# Altium PCB Bran_Main_Assay_PCB_v2.PcbDoc (part 5 of 15)
Units mil, origin at the board's own origin, x right, y up, seen from the top; angles counter-clockwise.
Board outline 3608.46 x 1899.79 mil, 6 copper layers (TOP, GND1, Singal, POWER, GND2, BOTTOM), stack 31.508 mil thick; 363 components, 288 nets, 1386 pads, 975 vias.
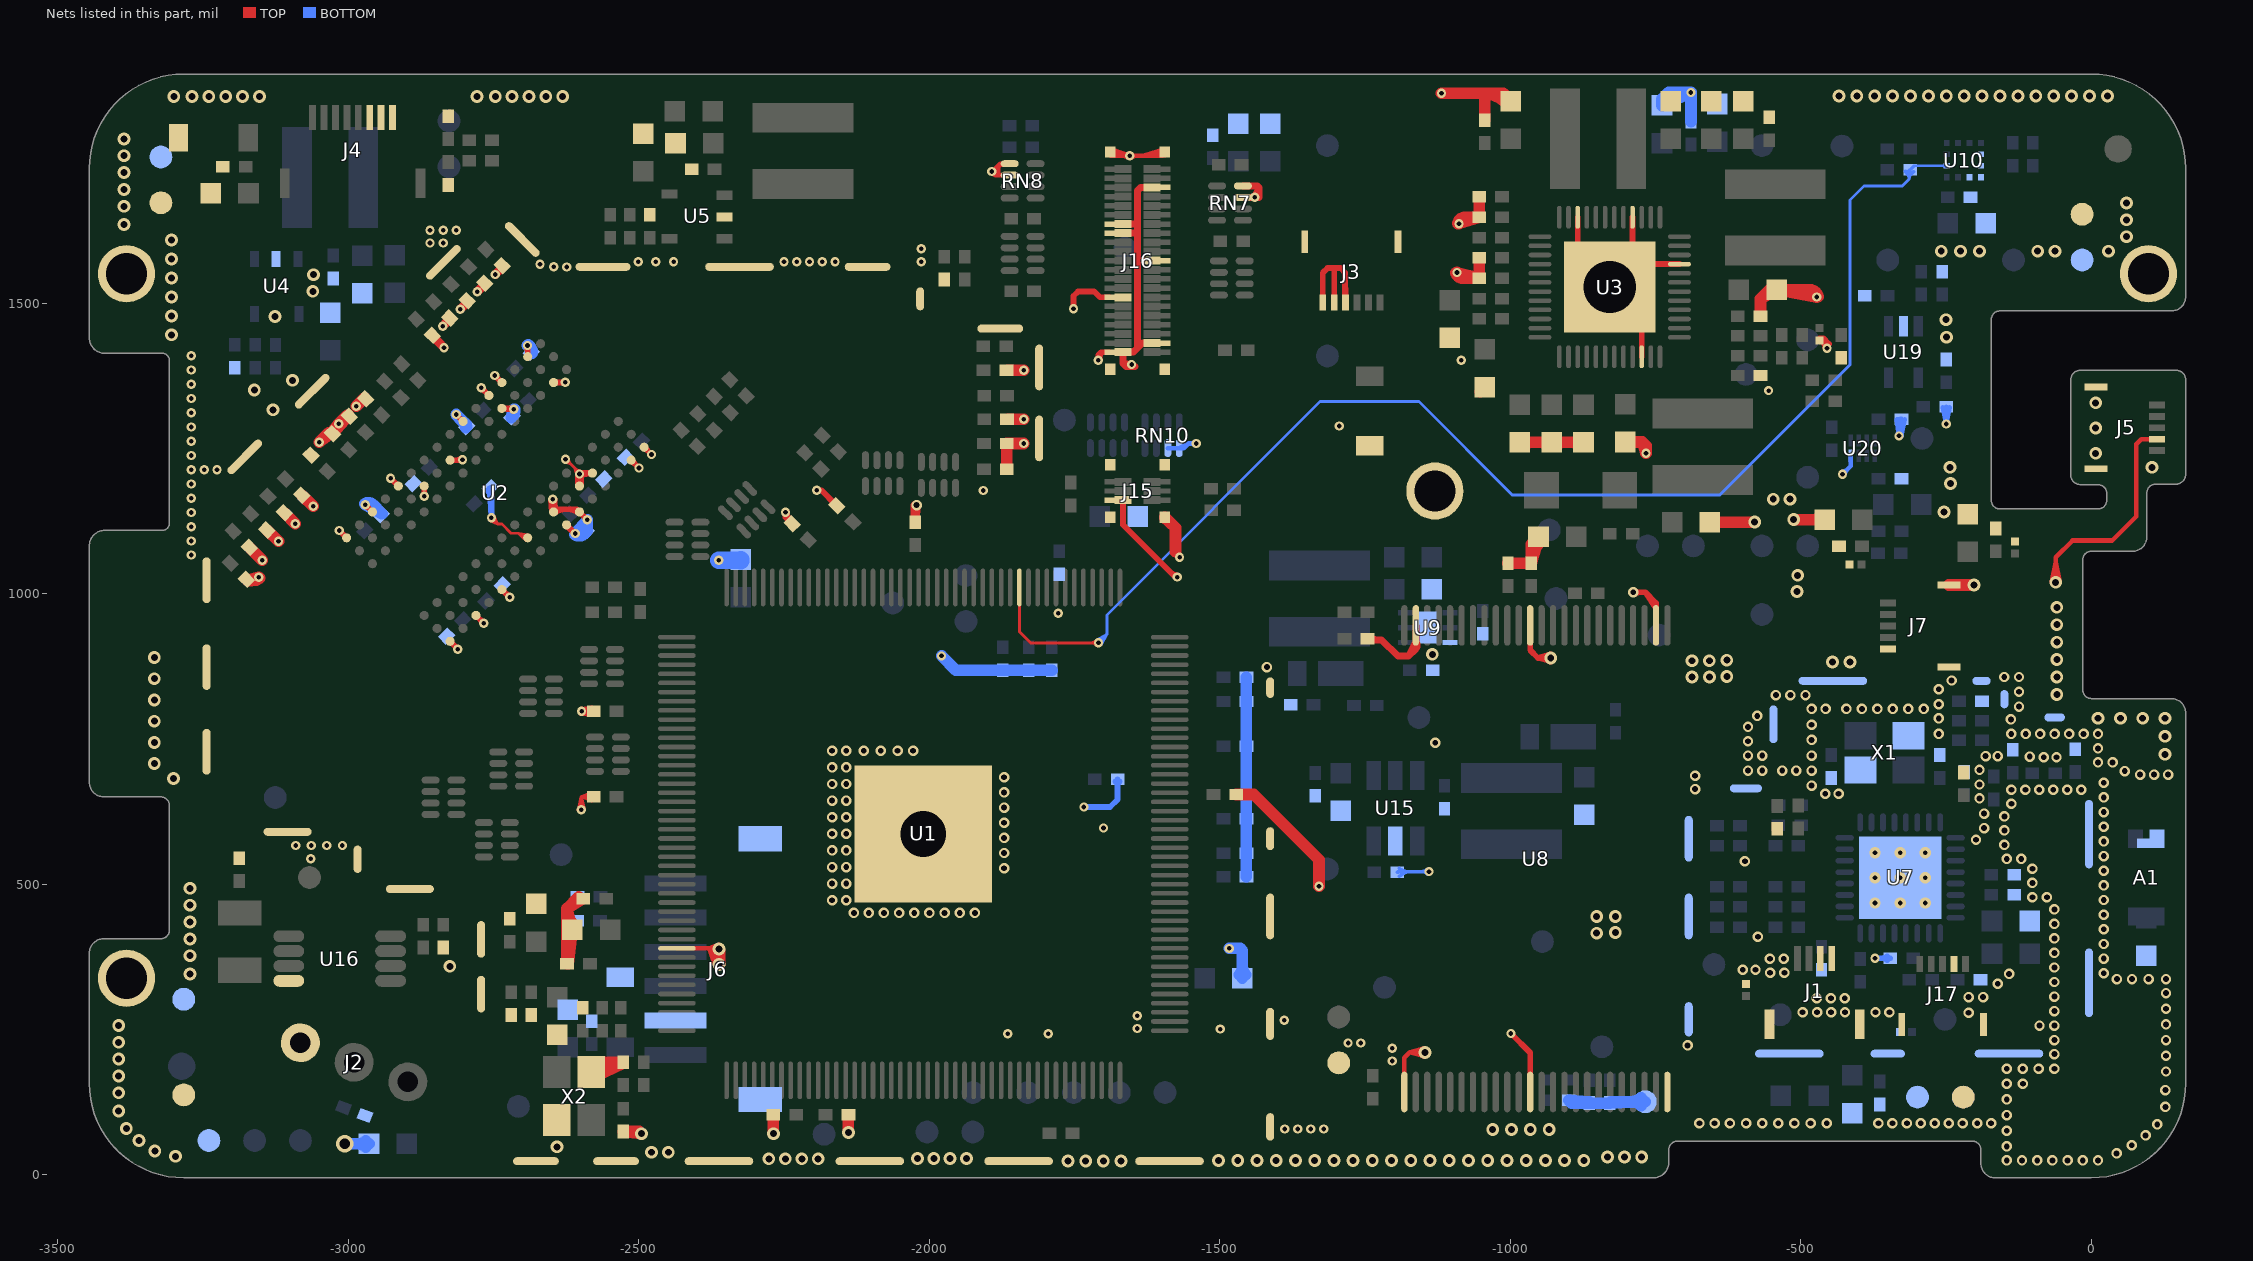
[diagram p9: the nets of this part, all layers, seen from the top]

## Via types
v1: diameter 16, hole 8, TOP to BOTTOM, tented both sides, 431 vias
v2: diameter 18, hole 10, TOP to BOTTOM, tented both sides, 257 vias
v3: diameter 22, hole 12, TOP to BOTTOM, tented both sides, 194 vias
v4: diameter 30, hole 18, TOP to BOTTOM, tented both sides, 69 vias
v5: diameter 24, hole 13, TOP to BOTTOM, tented both sides, 11 vias
v6: diameter 19.68, hole 7.87, TOP to BOTTOM, 9 vias
v7: diameter 22, hole 2, TOP to BOTTOM, tented both sides, 2 vias
v8: diameter 17.99, hole 10, TOP to BOTTOM, tented both sides, 1 vias
v9: diameter 20, hole 10, TOP to BOTTOM, tented both sides, 1 vias

## Nets (pads, with @x,y where several pads share a name; then routed paths per layer and width w, separated by ;. In a path a pad name is that pad's centre, name@x,y a point inside that pad or via, vN(x,y) a via of type N, cw(c..) or ccw(c..) an arc to the next point about the centre after c; other vN are vias at no path point) (continued)
G_INT2: R129.2 U1.12 U10.11 | length 2600.9
  TOP w5: -1845.08,963.65 U1.12@-1845.08,982.59 ; U1.12@-1845.08,1011.13 -1845.08,934.9 -1826.01,915.83 v1(-1709.02,915.83) -1718.86,916.28 ; v1@-1712.9,911.94 ccw(c-1722.29,902.55) -1722.29,915.83 ccw(c-1722.29,929.11) v1@-1712.9,919.72 ; v1@-1710.79,910.62 -1718.86,916.28 ; v1@-1710.31,921.17 -1718.86,916.28
  BOTTOM w5: v1@-1712.35,920.2 -1694.52,930.33 ; v1(-1709.02,915.83) -1694.52,930.33 ; v1@-1709.02,921.33 ccw(c-1709.02,934.61) -1699.63,925.22 ccw(c-1690.24,915.83) v1@-1703.52,915.83 ; v1@-1704.64,912.49 -1694.52,930.33 ; R129.2@-320.79,1727.99 -314.34,1718.73 ; R129.2@-318.91,1728.32 -312.79,1718.34 ; R129.2@-318.37,1724.3 cw(c-326.75,1714) -313.46,1714 ; R129.2@-313.73,1730 -314.34,1718.73 ; R129.2@-308.79,1724.57 ccw(c-299.17,1714) -313.46,1714 ; R129.2@-306.93,1727.24 -314.34,1718.73 ; R129.2@-305.02,1727.09 -312.79,1718.34 ; -269.39,1736.99 U10.11@-249.47,1736.99 ; U10.11@-251.18,1735.27 ccw(c-255.32,1731.14) -255.32,1736.99 ccw(c-255.32,1742.83) U10.11@-251.18,1738.7 ; U10.11@-248.98,1736.99 -304.79,1736.99 R129.2@-311.76,1730 ; -1694.52,930.33 -1694.52,963.87 -1327.38,1331 -1157.3,1331 -996.29,1169.99 -639.8,1169.99 -415.45,1394.34 -415.45,1678.02 -391.46,1702 -325.46,1702 -313.46,1714 ; -313.46,1714 -313.46,1728.31 R129.2@-311.76,1730 ; -312.79,1718.34 R129.2@-311.76,1730
GND: A1.1 A1.3@94.49,570.87 C2.1 C3.1 C4.1 C5.1 C7.1 C8.1 C9.1 C10.1 C15.2 C16.1 C17.1 C18.1 C19.1 C20.1 C21.1 C22.1 C23.1 C24.1 C25.1 C26.1 C27.1 C28.1 C29.1 C30.1 C31.1 C32.1 C33.1 C34.1 C35.1 C36.1 C37.1 C38.1 C39.2 C40.1 C41.1 C44.2 C45.2 C46.2 C47.2 C48.2 C49.2 C50.2 C51.2 C52.2 C53.2 C54.2 C55.2 C56.2 C57.2 C59.1 C60.2 C61.2 C62.1 C63.1 C64.2 C65.2 C66.2 C67.2 C68.2 C69.1 C70.1 C71.1 C83.1 C84.2 C85.2 C86.2 C87.2 C88.2 C89.2 C90.2 C91.2 C92.2 C93.2 C94.2 C95.2 C96.2 C97.2 C98.2 C99.2 C100.2 C101.2 C102.2 C103.2 C104.2 C105.2 C106.2 C111.1 C116.1 C117.2 C120.1 C121.1 C122.1 C123.1 C142.1 C145.1 C146.1 C148.1 C152.1 C154.1 C155.1 C156.2 C157.2 C158.1 C159.2 C174.2 C175.2 C176.2 C204.1 C207.1 C208.1 C209.1 C215.2 C216.2 C220.2 C221.2 C225.2 C226.2 C227.2 C228.2 C235.2 C236.2 C237.2 C240.1 C241.2 C242.2 C243.1 C244.1 C246.2 C247.2 C248.1 C249.1 C250.2 C251.1 D2.2 D4.1 D5.2 D6.2 D7.2 D8.2 D13.2 D14.2 D15.2 D19.2 J1.3 J1.4 J1.5 J1.6 J2.3 J3.4 J3.5 J3.6 J3.7 J3.8 J4.6 J4.7 J4.8 J5.4 J5.6 J5.7 J6.2 J6.7 J6.8 J7.1 J7.6 J7.7 J15.6 J15.7 J15.8 J15.9 J15.10 J16.5 J16.14 J16.16 J16.21 J16.30 J16.39 J16.42 J16.43 J16.44 J16.45 J16.46 J17.4 J17.6 J17.7 pad.0 pad.1 R1.1 R2.1 R12.1 R17.1 R19.1 R28.2 R35.2 R50.1 R71.1 R90.1 R91.1 R94.1 R151.1 R155.1 R160.2 R178.1 R180.2 R188.1 R190.2 R210.2 RN7.3 RN7.4 RN8.1 RN8.2 RN10.1 RN10.2 TP4.1 TP15.1 TP16.1 TP17.1 TP18.1 TP19.1 TP20.1 TP21.1 TP22.1 TP24.1 TP56.1 U1.79 U1.177 U2.A9 U2.B1 U2.B3 U2.B9 U2.D1 U2.D8 U2.E1 U2.E2 U2.E8 U2.F9 U2.G1 U2.G8 U2.G9 U2.J2 U2.J8 U2.L2 U2.M1 U2.M9 U2.P1 U2.P9 U2.T1 U2.T9 U3.9 U3.16 U3.22 U3.46 U3.49 U4.2 U5.2 U7.33 U8.2 U8.13 U8.23 U8.25 U8.36 U8.48 U9.3 U9.7 U10.5 U10.6 U10.7 U10.8 U15.2 U16.4 U19.2 U20.4 X1.2 X1.4 X2.2 X2.4 | length 26618.3
  TOP w5: v1@-2756.95,1126.39 -2743.23,1120.31 ; v1@-2753.84,1125.42 cw(c-2753.84,1112.14) -2744.45,1121.53 cw(c-2735.06,1130.92) v1@-2748.34,1130.92 ; v1(-2753.84,1130.92) -2743.23,1120.31 ; v1@-2749.3,1134.03 -2743.23,1120.31 ; -2701.58,1099.07 ccw(c-2694.92,1105.73) U2.J8@-2691.51,1096.95 ; U2.J8@-2695.05,1092.68 -2699.91,1100.89 ; U2.J8@-2694.51,1092.23 -2707,1104.49 ; U2.J8@-2693.32,1101.61 cw(c-2697.95,1113.54) -2707,1104.49 ; U2.J8@-2690.41,1101.89 -2699.91,1100.89 ; U2.J8@-2689.72,1101.71 -2707,1104.49 ; v1@-2653.52,1162.16 U2.G8@-2648.07,1143.07 ; v1@-2653.41,1161.63 -2648.52,1153.08 ; v1@-2653.34,1161.35 -2647.43,1151.2 ; v1@-2653.24,1161.05 U2.G8@-2645.77,1148.5 ; v1@-2650.82,1158.16 cw(c-2654.88,1151.12) -2647.03,1153.23 ; -2648.07,1151.15 cw(c-2656.85,1151.15) -2650.64,1144.94 ccw(c-2659.81,1154.12) -2646.84,1154.12 ccw(c-2633.86,1154.12) -2643.04,1144.94 cw(c-2630.89,1157.09) v1@-2648.07,1157.09 ; U2.G8@-2646.84,1146.67 ccw(c-2664.32,1146.67) -2651.96,1159.03 cw(c-2661.35,1149.64) -2648.07,1149.64 cw(c-2634.79,1149.64) -2644.18,1159.03 ccw(c-2637.76,1152.61) -2646.84,1152.61 ; -2646.44,1151.03 cw(c-2638.6,1153.13) v1@-2644.24,1158.97 ; v1@-2642.83,1161.24 U2.G8@-2652.21,1141.03 ; v1@-2642.72,1161.63 -2647.62,1153.08 ; v1@-2642.66,1161.92 -2647.43,1151.2 ; v1@-2642.62,1162.16 U2.G8@-2648.07,1143.07 ; v1@-2642.57,1162.75 U2.G8@-2645.77,1148.5 ; v1@-2626.43,1226.42 cw(c-2626.43,1210.73) -2615.33,1221.83 ; v1(-2626.43,1231.92) -2625.43,1231.92 v1@-2601.46,1207.95 ; v1@-2620.93,1231.92 ccw(c-2610.06,1231.92) -2617.75,1224.24 ; -2613.07,1219.57 cw(c-2626.27,1206.37) v1@-2607.61,1206.37 ; -2607.69,1214.18 ccw(c-2602.11,1219.77) v1@-2602.11,1211.87 ; v1@-2607.6,1206.01 U2.E8@-2603.93,1192.31 ; v1@-2607.6,1206.05 U2.E8@-2604.03,1192.18 ; v1@-2607.55,1205.57 U2.E8@-2602.11,1187.61 ; v1@-2607.56,1205.62 U2.E8@-2602.29,1187.61 ; v1@-2607.45,1205.08 -2602.56,1196.53 ; v1@-2607.47,1205.13 -2602.72,1196.81 ; v1@-2607.31,1204.6 -2601.66,1196.53 ; v1@-2606.98,1203.82 -2610.11,1215.7 ; v1@-2605.49,1202.04 cw(c-2609.49,1196.91) -2603.21,1195.23 ; v1@-2605.36,1201.94 cw(c-2608.97,1197.03) -2603.09,1195.46 ; v1@-2604.86,1201.61 cw(c-2607.8,1196.52) -2602.12,1198.04 ; -2602.65,1197.32 cw(c-2595.83,1195.49) -2599.36,1201.61 ccw(c-2595.93,1195.67) -2602.55,1197.45 ; U2.E8@-2602.29,1192.66 cw(c-2588.4,1192.66) -2598.22,1202.48 ccw(c-2588.83,1193.09) -2602.11,1193.09 ccw(c-2615.39,1193.09) -2606,1202.48 cw(c-2614.95,1193.53) U2.E8@-2602.29,1193.53 ; -2602.11,1198.23 ccw(c-2589.75,1198.23) -2598.49,1189.49 cw(c-2589.31,1198.67) -2602.29,1198.67 cw(c-2615.26,1198.67) -2606.09,1189.49 ccw(c-2615.7,1199.1) v1@-2602.11,1199.1 ; -2601.52,1195.81 cw(c-2596.38,1197.19) v1@-2599.2,1201.71 ; v1@-2598.84,1210.8 -2610.11,1215.7 ; v1@-2596.95,1204.46 -2602.72,1196.81 ; v1@-2596.77,1205.03 -2601.81,1196.25 ; v1@-2596.76,1205.08 -2601.66,1196.53 ; v1@-2596.68,1205.51 U2.E8@-2602.29,1187.61 ; v1@-2596.67,1205.57 U2.E8@-2602.11,1187.61 ; v1@-2596.63,1205.91 U2.E8@-2600.55,1192.18 ; -2743.23,1120.31 -2735.82,1120.31 -2720,1104.49 -2707,1104.49 ; -2707,1104.49 U2.J8@-2691.38,1096.6 ; -2707,1104.49 -2699.11,1096.6 U2.J8@-2691.38,1096.6 ; -2699.91,1100.89 U2.J8@-2691.38,1096.6 ; v1@-2653.56,1163.26 U2.G8@-2652.08,1142.31 ; v1@-2653.56,1163.27 U2.G8@-2652.21,1141.27 ; v1@-2653.56,1163.26 U2.G8@-2652.09,1142.29 ; v1@-2653.56,1163.27 U2.G8@-2652.21,1141.03 ; v1@-2653.56,1163.27 U2.G8@-2652.13,1142.1 ; v1@-2653.56,1163.27 U2.G8@-2652.17,1141.84 ; v1@-2653.56,1163.27 U2.G8@-2652.2,1141.5 ; v1@-2653.48,1161.92 U2.G8@-2646.84,1141.14 ; v1@-2653.48,1161.92 U2.G8@-2646.84,1141.14 ; v1@-2653.48,1161.92 U2.G8@-2646.84,1141.14 ; v1@-2653.48,1161.92 U2.G8@-2646.84,1141.14 ; v1@-2653.48,1161.92 U2.G8@-2646.84,1141.14 ; v1@-2653.48,1161.92 U2.G8@-2646.84,1141.14 ; v1@-2653.28,1161.15 -2647.48,1152.64 ; v1@-2653.28,1161.15 -2647.48,1152.64 ; v1@-2653.28,1161.15 -2647.48,1152.64 ; v1@-2653.27,1161.15 -2647.62,1153.08 ; v1@-2653.07,1160.63 U2.G8@-2641.54,1142.02 ; v1@-2653.05,1160.59 U2.G8@-2641.79,1142.98 ; v1@-2653.05,1160.59 U2.G8@-2641.83,1143.09 ; v1@-2653.06,1160.6 U2.G8@-2641.69,1142.69 ; v1@-2653.07,1160.63 U2.G8@-2641.55,1142.1 ; U2.G8@-2652.21,1141.03 v1(-2648.07,1162.92) ; U2.G8@-2652.21,1141.03 v1@-2649.85,1156.28 ; U2.G8@-2652.21,1141.27 v1(-2648.07,1162.92) ; U2.G8@-2652.21,1141.27 v1@-2642.84,1161.22 ; U2.G8@-2652.21,1141.27 v1@-2649.18,1155.41 ; U2.G8@-2652.2,1141.5 v1(-2648.07,1162.92) ; U2.G8@-2652.2,1141.5 v1@-2642.84,1161.21 ; U2.G8@-2652.2,1141.5 v1(-2648.07,1162.92) ; U2.G8@-2652.17,1141.84 v1(-2648.07,1162.92) ; U2.G8@-2652.17,1141.84 v1@-2642.85,1161.19 ; U2.G8@-2652.17,1141.84 v1@-2646.84,1161.69 ; U2.G8@-2652.13,1142.1 v1(-2648.07,1162.92) ; U2.G8@-2652.13,1142.1 v1@-2642.85,1161.18 ; U2.G8@-2652.13,1142.1 -2647.48,1152.64 ; U2.G8@-2652.09,1142.29 v1(-2648.07,1162.92) ; U2.G8@-2652.09,1142.29 v1@-2642.85,1161.17 ; U2.G8@-2652.09,1142.29 v1@-2646.29,1156.28 ; U2.G8@-2652.08,1142.31 v1(-2648.07,1162.92) ; U2.G8@-2652.08,1142.31 v1@-2642.85,1161.17 ; U2.G8@-2652.08,1142.31 -2646.44,1155.23 U2.G8@-2641.54,1142.02 ; v1@-2649.85,1156.28 U2.G8@-2646.84,1141.14 ; v1@-2649.85,1156.28 U2.G8@-2641.83,1143.09 ; v1@-2649.18,1155.41 U2.G8@-2646.84,1141.14 ; v1@-2649.18,1155.41 U2.G8@-2641.79,1142.98 ; -2648.52,1153.08 v1(-2648.07,1162.92) ; -2648.52,1153.08 v1@-2642.86,1161.15 ; U2.G8@-2648.07,1143.07 v1(-2648.07,1162.92) ; U2.G8@-2648.07,1143.07 v1(-2648.07,1162.92) ; v1(-2648.07,1162.92) U2.G8@-2641.54,1142.02 ; v1(-2648.07,1162.92) U2.G8@-2646.84,1141.14 ; v1(-2648.07,1162.92) U2.G8@-2641.79,1142.98 ; v1(-2648.07,1162.92) U2.G8@-2646.84,1141.14 ; v1(-2648.07,1162.92) U2.G8@-2641.52,1141.9 ; v1(-2648.07,1162.92) U2.G8@-2646.84,1141.14 ; v1(-2648.07,1162.92) U2.G8@-2641.83,1143.09 ; v1(-2648.07,1162.92) -2647.48,1152.64 ; v1(-2648.07,1162.92) U2.G8@-2646.84,1141.14 ; v1(-2648.07,1162.92) -2647.48,1152.64 ; v1(-2648.07,1162.92) U2.G8@-2641.69,1142.69 ; v1(-2648.07,1162.92) -2647.48,1152.64 ; v1(-2648.07,1162.92) U2.G8@-2641.51,1141.84 ; v1(-2648.07,1162.92) -2647.43,1151.2 ; v1(-2648.07,1162.92) -2647.62,1153.08 ; v1(-2648.07,1162.92) U2.G8@-2645.77,1148.5 ; v1(-2648.07,1162.92) U2.G8@-2646.84,1141.14 ; v1(-2648.07,1162.92) U2.G8@-2646.84,1141.14 ; v1(-2648.07,1162.92) U2.G8@-2641.55,1142.1 ; v1(-2648.07,1162.92) v1@-2646.84,1161.69 ; -2647.48,1152.64 v1@-2642.69,1161.76 ; -2647.48,1152.64 v1@-2642.69,1161.76 ; -2647.48,1152.64 v1@-2642.69,1161.76 ; -2647.48,1152.64 U2.G8@-2646.84,1141.14 ; -2647.48,1152.64 U2.G8@-2641.69,1142.69 ; U2.G8@-2646.84,1141.14 v1@-2642.58,1162.54 ; U2.G8@-2646.84,1141.14 v1@-2642.58,1162.54 ; U2.G8@-2646.84,1141.14 v1@-2642.58,1162.54 ; U2.G8@-2646.84,1141.14 v1@-2642.58,1162.54 ; U2.G8@-2646.84,1141.14 v1@-2642.58,1162.54 ; U2.G8@-2646.84,1141.14 v1@-2642.58,1162.54 ; U2.G8@-2646.84,1141.14 v1@-2646.29,1156.28 ; U2.G8@-2646.84,1141.14 v1@-2646.84,1161.69 ; v1@-2646.84,1161.69 U2.G8@-2641.51,1141.84 ; v1@-2646.29,1156.28 U2.G8@-2641.52,1141.9 ; v1@-2642.65,1163.87 U2.G8@-2641.79,1142.98 ; v1@-2642.65,1163.86 U2.G8@-2641.83,1143.09 ; v1@-2642.65,1163.88 U2.G8@-2641.69,1142.69 ; v1@-2642.65,1163.89 U2.G8@-2641.54,1142.02 ; v1@-2642.65,1163.89 U2.G8@-2641.52,1141.9 ; v1@-2642.65,1163.89 U2.G8@-2641.51,1141.84 ; v1@-2642.65,1163.89 U2.G8@-2641.55,1142.1 ; U2.G8@-2641.51,1141.84 -2653.08,1160.65 U2.G8@-2641.52,1141.9 ; -2610.11,1215.7 v1(-2602.11,1206.37) ; U2.E8@-2607.65,1186.07 v1(-2602.11,1206.37) ; U2.E8@-2607.65,1186.07 v1@-2607.56,1207.11 ; U2.E8@-2607.65,1186.07 -2597.04,1204.24 U2.E8@-2607.65,1186.11 ; U2.E8@-2607.65,1186.07 v1@-2603.98,1199.86 ; U2.E8@-2607.65,1186.11 v1(-2602.11,1206.37) ; U2.E8@-2607.65,1186.11 v1@-2607.56,1207.11 ; U2.E8@-2607.65,1186.11 v1@-2603.89,1199.73 ; U2.E8@-2607.61,1186.43 v1(-2602.11,1206.37) ; U2.E8@-2607.61,1186.43 v1@-2607.56,1207.12 ; U2.E8@-2607.61,1186.43 v1@-2597.05,1204.22 ; U2.E8@-2607.61,1186.44 v1(-2602.11,1206.37) ; U2.E8@-2607.61,1186.44 v1@-2607.56,1207.12 ; U2.E8@-2607.61,1186.44 v1@-2597.05,1204.22 ; U2.E8@-2607.62,1186.4 v1(-2602.11,1206.37) ; U2.E8@-2607.62,1186.4 v1@-2607.56,1207.12 ; U2.E8@-2607.62,1186.4 v1@-2597.05,1204.22 ; U2.E8@-2607.61,1186.43 v1@-2603.21,1198.59 ; U2.E8@-2607.61,1186.44 v1(-2602.11,1206.37) ; U2.E8@-2607.62,1186.4 v1@-2602.29,1206.19 ; U2.E8@-2607.6,1186.48 v1(-2602.11,1206.37) ; U2.E8@-2607.6,1186.48 v1@-2607.56,1207.12 ; U2.E8@-2607.6,1186.48 v1@-2597.05,1204.21 ; U2.E8@-2607.6,1186.48 v1@-2603.09,1198.61 ; U2.E8@-2607.54,1186.84 v1(-2602.11,1206.37) ; U2.E8@-2607.54,1186.84 v1@-2607.56,1207.11 ; U2.E8@-2607.54,1186.84 v1@-2597.06,1204.19 ; U2.E8@-2607.54,1186.84 v1@-2602.11,1199.1 ; v1@-2607.57,1205.69 U2.E8@-2602.29,1185.69 ; v1@-2607.57,1205.69 U2.E8@-2602.29,1185.69 ; v1@-2607.57,1205.69 U2.E8@-2602.29,1185.69 ; v1@-2607.57,1205.69 U2.E8@-2602.29,1185.69 ; v1@-2607.57,1205.69 U2.E8@-2602.29,1185.69 ; v1@-2607.57,1205.69 U2.E8@-2602.29,1185.69 ; v1@-2607.57,1205.69 U2.E8@-2602.29,1185.69 ; v1@-2607.57,1205.69 U2.E8@-2602.29,1185.69 ; v1@-2607.57,1205.69 U2.E8@-2602.29,1185.69 ; v1@-2607.57,1205.69 U2.E8@-2602.29,1185.69 ; v1@-2607.57,1205.69 U2.E8@-2602.29,1185.69 ; v1@-2607.56,1207.1 U2.E8@-2607.47,1187.12 ; v1@-2607.56,1207.09 U2.E8@-2607.37,1187.43 ; v1@-2607.56,1207.09 U2.E8@-2607.38,1187.41 ; v1@-2607.56,1207.11 U2.E8@-2607.51,1186.98 ; v1@-2607.56,1207.11 U2.E8@-2607.51,1186.98 ; U2.E8@-2607.51,1186.98 v1(-2602.11,1206.37) ; U2.E8@-2607.51,1186.98 v1@-2597.06,1204.19 ; U2.E8@-2607.51,1186.98 v1(-2602.11,1206.37) ; U2.E8@-2607.51,1186.98 v1@-2597.06,1204.19 ; U2.E8@-2607.51,1186.98 -2602.3,1196.83 ; U2.E8@-2607.51,1186.98 -2602.3,1196.83 ; U2.E8@-2607.47,1187.12 v1(-2602.11,1206.37) ; U2.E8@-2607.47,1187.12 v1@-2597.06,1204.18 ; U2.E8@-2607.47,1187.12 -2601.52,1198.57 U2.E8@-2596.97,1186.5 ; U2.E8@-2607.37,1187.43 v1(-2602.11,1206.37) ; U2.E8@-2607.37,1187.43 v1@-2597.07,1204.17 ; U2.E8@-2607.38,1187.41 v1(-2602.11,1206.37) ; U2.E8@-2607.38,1187.41 v1@-2597.07,1204.17 ; U2.E8@-2607.37,1187.43 v1@-2600.33,1199.73 ; U2.E8@-2607.38,1187.41 v1@-2600.43,1199.61 ; v1@-2607.41,1204.89 -2602.3,1196.83 ; v1@-2607.41,1204.89 -2602.3,1196.83 ; v1@-2607.41,1204.89 -2602.3,1196.83 ; v1@-2607.41,1204.89 -2602.3,1196.83 ; v1@-2607.41,1204.89 -2602.3,1196.83 ; v1@-2607.41,1204.89 -2602.3,1196.83 ; v1@-2607.19,1204.27 U2.E8@-2597.11,1187.13 ; v1@-2607.19,1204.26 U2.E8@-2597.12,1187.18 ; v1@-2607.19,1204.26 U2.E8@-2597.16,1187.3 ; v1@-2607.19,1204.26 U2.E8@-2597.17,1187.32 ; v1@-2607.19,1204.27 U2.E8@-2597.07,1186.99 ; v1@-2607.2,1204.28 U2.E8@-2597.01,1186.7 ; v1@-2607.19,1204.27 U2.E8@-2597.07,1186.99 ; v1@-2607.2,1204.3 U2.E8@-2596.97,1186.5 ; v1@-2607.22,1204.33 U2.E8@-2596.92,1185.97 ; v1@-2607.21,1204.33 U2.E8@-2596.92,1186.01 ; v1@-2607.21,1204.3 U2.E8@-2596.95,1186.34 ; v1@-2607.2,1204.3 U2.E8@-2596.96,1186.4 ; U2.E8@-2604.03,1192.18 v1(-2602.11,1206.37) ; U2.E8@-2604.03,1192.18 v1@-2596.9,1204.6 ; v1@-2603.98,1199.86 U2.E8@-2602.29,1185.69 ; v1@-2603.98,1199.86 U2.E8@-2597.17,1187.32 ; U2.E8@-2603.93,1192.31 v1(-2602.11,1206.37) ; U2.E8@-2603.93,1192.31 v1@-2596.89,1204.62 ; v1@-2603.89,1199.73 U2.E8@-2602.29,1185.69 ; v1@-2603.89,1199.73 U2.E8@-2597.16,1187.3 ; v1@-2603.21,1198.59 U2.E8@-2602.29,1185.69 ; v1@-2603.21,1198.59 U2.E8@-2597.12,1187.18 ; v1@-2603.09,1198.61 U2.E8@-2602.29,1185.69 ; v1@-2603.09,1198.61 U2.E8@-2597.11,1187.13 ; -2602.72,1196.81 v1(-2602.11,1206.37) ; -2602.56,1196.53 v1(-2602.11,1206.37) ; -2602.56,1196.53 v1@-2596.9,1204.6 ; U2.E8@-2602.29,1185.69 v1(-2602.11,1206.37) ; U2.E8@-2602.29,1185.69 v1@-2596.66,1205.59 ; U2.E8@-2602.29,1185.69 v1(-2602.11,1206.37) ; U2.E8@-2602.29,1185.69 v1@-2596.66,1205.59 ; U2.E8@-2602.29,1185.69 v1(-2602.11,1206.37) ; U2.E8@-2602.29,1185.69 v1@-2596.66,1205.59 ; U2.E8@-2602.29,1185.69 v1(-2602.11,1206.37) ; U2.E8@-2602.29,1185.69 v1@-2596.66,1205.59 ; U2.E8@-2602.29,1185.69 v1(-2602.11,1206.37) ; U2.E8@-2602.29,1185.69 v1@-2596.66,1205.59 ; U2.E8@-2602.29,1185.69 v1(-2602.11,1206.37) ; U2.E8@-2602.29,1185.69 v1@-2596.66,1205.59 ; U2.E8@-2602.29,1185.69 v1(-2602.11,1206.37) ; U2.E8@-2602.29,1185.69 v1@-2596.66,1205.59 ; U2.E8@-2602.29,1185.69 v1(-2602.11,1206.37) ; U2.E8@-2602.29,1185.69 v1@-2596.66,1205.59 ; U2.E8@-2602.29,1185.69 v1(-2602.11,1206.37) ; U2.E8@-2602.29,1185.69 v1@-2596.66,1205.59 ; U2.E8@-2602.29,1185.69 v1(-2602.11,1206.37) ; U2.E8@-2602.29,1185.69 v1@-2596.66,1205.59 ; U2.E8@-2602.29,1185.69 v1(-2602.11,1206.37) ; U2.E8@-2602.29,1185.69 v1@-2596.66,1205.59 ; U2.E8@-2602.29,1185.69 v1@-2600.33,1199.73 ; U2.E8@-2602.29,1185.69 v1@-2600.43,1199.61 ; U2.E8@-2602.29,1185.69 -2602.3,1196.83 ; U2.E8@-2602.29,1185.69 v1@-2602.11,1199.1 ; U2.E8@-2602.29,1185.69 -2602.3,1196.83 ; U2.E8@-2602.29,1185.69 v1(-2602.11,1206.37) ; U2.E8@-2602.29,1185.69 v1@-2602.29,1206.19 ; U2.E8@-2602.29,1185.69 U2.E8@-2602.11,1187.61 ; U2.E8@-2602.29,1185.69 U2.E8@-2602.29,1187.61 ; U2.E8@-2602.29,1187.61 U2.E8@-2602.11,1187.61 ; U2.E8@-2602.29,1187.61 v1(-2602.11,1206.37) ; U2.E8@-2602.29,1187.61 v1@-2602.29,1206.19 ; -2602.3,1196.83 v1(-2602.11,1206.37) ; -2602.3,1196.83 v1@-2596.87,1204.68 ; -2602.3,1196.83 v1(-2602.11,1206.37) ; -2602.3,1196.83 v1@-2596.87,1204.68 ; -2602.3,1196.83 v1(-2602.11,1206.37) ; -2602.3,1196.83 v1@-2596.87,1204.68 ; -2602.3,1196.83 v1(-2602.11,1206.37) ; -2602.3,1196.83 v1@-2596.87,1204.68 ; -2602.3,1196.83 v1(-2602.11,1206.37) ; -2602.3,1196.83 v1@-2596.87,1204.68 ; -2602.3,1196.83 v1(-2602.11,1206.37) ; -2602.3,1196.83 v1@-2596.87,1204.68 ; -2602.3,1196.83 U2.E8@-2597.07,1186.99 ; -2602.3,1196.83 U2.E8@-2597.07,1186.99 ; v1@-2602.29,1206.19 v1(-2602.11,1206.37) v1@-2601.46,1207.95 ; v1@-2602.29,1206.19 U2.E8@-2596.96,1186.4 ; v1@-2602.29,1206.19 v1(-2602.11,1206.37) ; U2.E8@-2602.11,1187.61 v1(-2602.11,1206.37) ; U2.E8@-2602.11,1187.61 v1(-2602.11,1206.37) ; v1@-2602.11,1199.1 U2.E8@-2597.01,1186.7 ; v1(-2602.11,1206.37) U2.E8@-2597.11,1187.13 ; v1(-2602.11,1206.37) U2.E8@-2597.12,1187.18 ; v1(-2602.11,1206.37) U2.E8@-2596.97,1186.5 ; v1(-2602.11,1206.37) U2.E8@-2596.92,1185.97 ; v1(-2602.11,1206.37) U2.E8@-2597.16,1187.3 ; v1(-2602.11,1206.37) U2.E8@-2596.92,1186.01 ; v1(-2602.11,1206.37) U2.E8@-2597.17,1187.32 ; v1(-2602.11,1206.37) U2.E8@-2597.07,1186.99 ; v1(-2602.11,1206.37) U2.E8@-2597.01,1186.7 ; v1(-2602.11,1206.37) U2.E8@-2597.07,1186.99 ; v1(-2602.11,1206.37) U2.E8@-2596.96,1186.4 ; v1(-2602.11,1206.37) -2601.66,1196.53 ; v1(-2602.11,1206.37) -2601.81,1196.25 ; v1(-2602.11,1206.37) U2.E8@-2600.55,1192.18 ; v1(-2602.11,1206.37) U2.E8@-2596.95,1186.34 ; v1(-2602.11,1206.37) v1@-2601.46,1207.95 ; -2601.81,1196.25 -2607.36,1204.72 U2.E8@-2600.55,1192.18 ; v1@-2600.43,1199.61 U2.E8@-2596.92,1186.01 ; v1@-2600.33,1199.73 U2.E8@-2596.92,1185.97 ; U2.E8@-2597.12,1187.18 v1@-2596.64,1207 ; U2.E8@-2597.16,1187.3 v1@-2596.64,1207 ; U2.E8@-2597.17,1187.32 v1@-2596.64,1207 ; U2.E8@-2597.07,1186.99 v1@-2596.65,1207.01 ; U2.E8@-2597.07,1186.99 v1@-2596.65,1207.01 ; U2.E8@-2597.11,1187.13 v1@-2596.64,1207.01 ; U2.E8@-2596.97,1186.5 v1@-2596.65,1207.02 ; U2.E8@-2597.01,1186.7 v1@-2596.65,1207.02 ; U2.E8@-2596.95,1186.34 v1@-2596.65,1207.02 ; U2.E8@-2596.96,1186.4 v1@-2596.65,1207.02 ; U2.E8@-2596.92,1185.97 v1@-2596.65,1207.02 ; U2.E8@-2596.92,1186.01 v1@-2596.65,1207.02 ; C35.1@-2024.79,1127.93 -2024.43,1125.97 -2024.43,1127.57 C35.1@-2024.79,1127.93